# Altium PCB My_SOMA_25042022.PcbDoc (part 3 of 4) (continued)
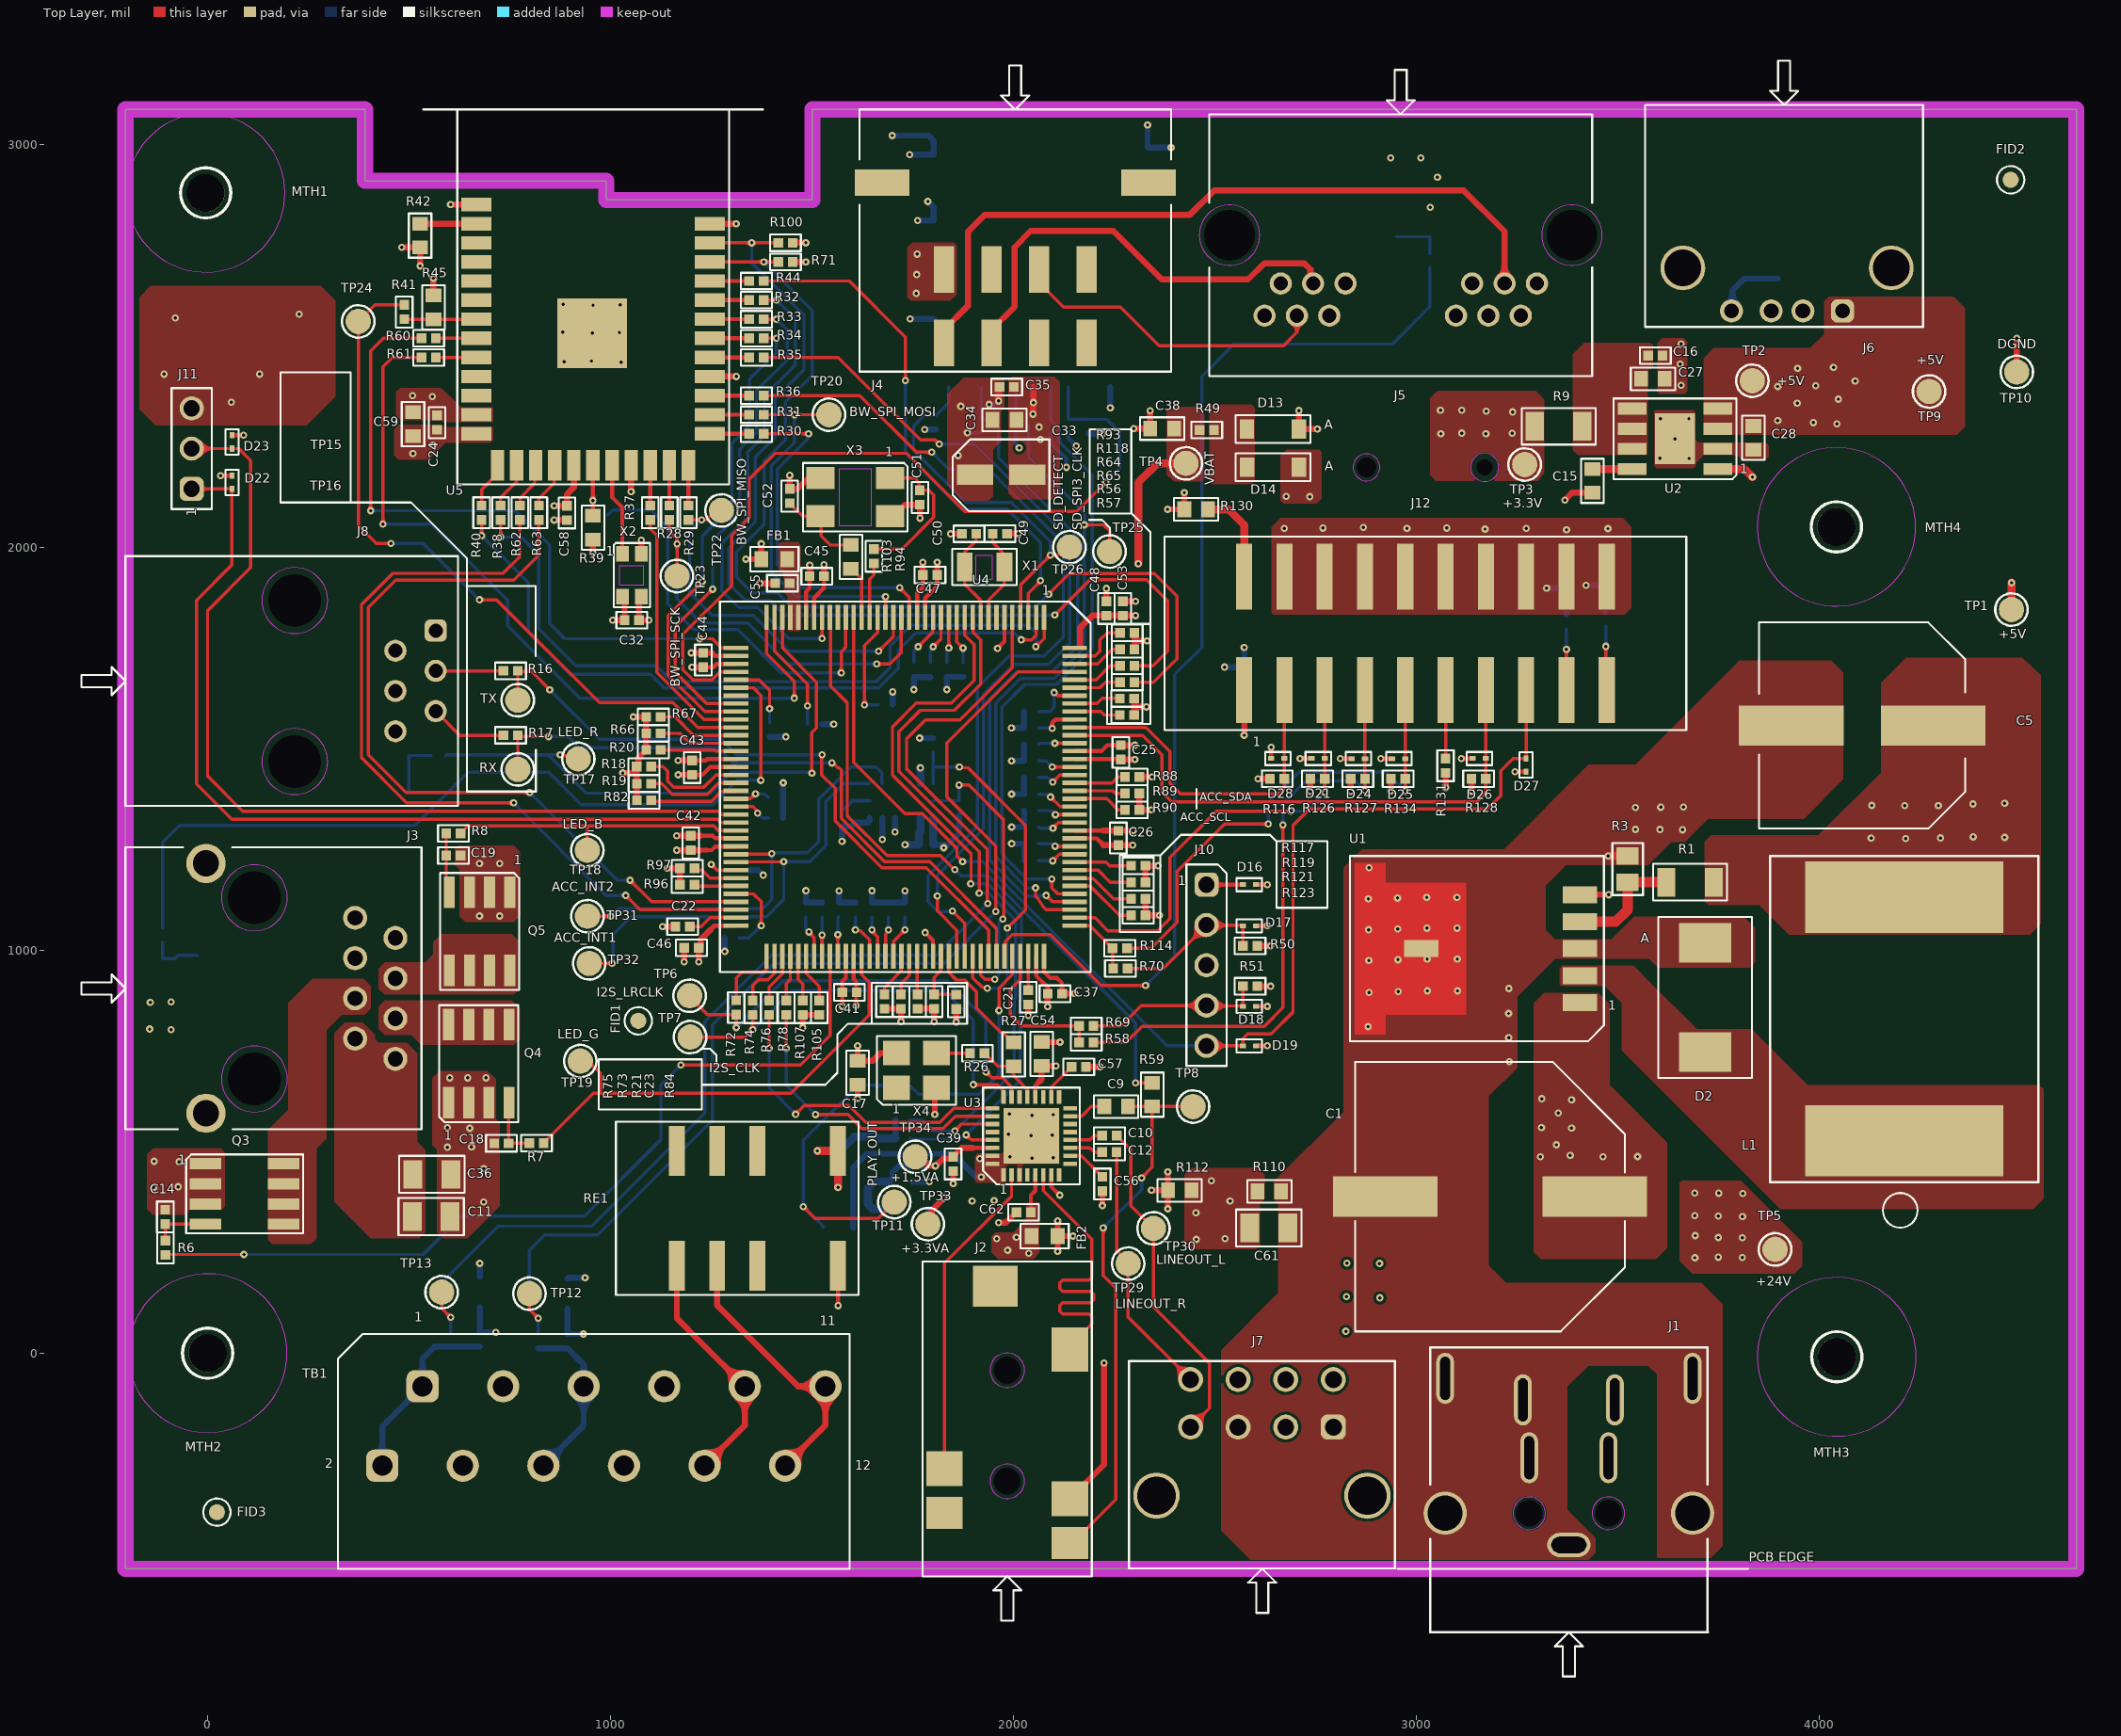
[diagram p0: Top Layer view]
## Nets (pads, with @x,y where several pads share a name; then routed paths per layer and width w, separated by ;. In a path a pad name is that pad's centre, name@x,y a point inside that pad or via, vN(x,y) a via of type N, cw(c..) or ccw(c..) an arc to the next point about the centre after c; other vN are vias at no path point) (continued)
  Bottom Layer w8: R13.2@603.31,51.94 v1(603.31,89.11) 580.95,111.47 D4.3@580.95,151.44 580.95,175.95 720,315 952.49,315 1234.07,596.58 1234.07,684.68 1234.07,822.55 1399.02,987.5 1808.25,987.5 1936.37,1115.62 v1(1936.37,1115.72)
LINEOUT_L: C10.2 J7.4 TP30.1 | length 838.4
  Top Layer w8: C10.2@2256.36,539.71 2291.18,504.89 2291.18,366.35 TP30.1@2347.71,309.82 2347.71,114.45 2487.09,-24.92 2487.09,-136.29 J7.4@2439.83,-183.55
LINEOUT_R: C12.2 J7.8 TP29.1 | length 640.3
  Top Layer w8: C12.2@2256.24,498.83 2256.24,255.3 2284.81,226.73 TP29.1@2284.81,222.35 2284.81,89.59 J7.8@2439.83,-65.44
MCLK: R26.2 R27.1 U3.21 | length 176.5
  Top Layer w8: R26.2@1928.55,744.78 1960.91,712.42 2000.39,712.42 R27.1@2000.78,712.03 2000.78,688.33 2034.85,654.26 U3.21@2034.85,635.47
MIC_IN: R59.2 U4.28 | length 1628.9
  Top Layer w8: U4.28@1544.71,1826.15 1546.21,1824.65 1546.21,1655.72 1587.66,1614.27 1587.66,1333.52 1686.18,1235 1818.43,1235 1853.43,1200 v1(1855,1200) ; v1(2303.11,671.06) R59.2@2344.59,671.06
  Bottom Layer w8: v1(1855,1200) 1855.57,1200 1870.13,1185.43 1937.46,1185.43 2303.11,819.78 v1(2303.11,671.06)
NetC1_+: C1.+ C2.1 C3.2 D1.1 U1.1
  other v1: 3308.01,487.65 3463.85,487.65 3549.53,488.05 3382.14,490.84 3347.88,517.16 3385.66,558.88 3310.92,559.85 3352.28,595.88 3385.66,628.76 3311.68,631.59
NetC4_2: C4.2 C5.+ C6.2 C7.1 L1.2 R1.2 R25.1
  other v1: 4214.55,1277.26 4129.12,1278.1 4301.47,1278.86 4460.69,1280.11 4382.52,1281.52 4212.42,1358.84 4296.14,1359.37 4130.4,1359.69 4381.84,1363.16 4460.69,1364.75
NetC8_2: C8.2 Q1.4 R4.2 | length 143.1
  Bottom Layer w8: Q1.4@500.23,1396.63 499.3,1397.55 C8.2@499.3,1483.5 553.74,1483.5 R4.2@554.76,1482.48
NetC9_1: C9.1 U3.15 | length 94.4
  Top Layer w8: U3.15@2141.15,588.23 2169.56,588.23 2193.43,612.1 C9.1@2225.63,612.1
NetC9_2: C9.2 J2.1 R59.1 TP8.1 | length 1362.6
  Top Layer w8: J2.1@2140.27,-471.47 2146.18,-471.47 2254.63,-363.01 2254.63,161.24 2223.19,192.68 v1(2223.19,310.79) ; C9.2@2284.59,612.1 2284.59,609.6 2287.09,612.1 R59.1@2344.59,612.1 2344.59,461.34 v1(2318.09,434.84) ; R59.1@2344.59,612.1 TP8.1@2445.95,612.08
  Bottom Layer w8: v1(2223.19,310.79) 2318.09,405.69 v1(2318.09,434.84)
NetC10_1: C10.1 U3.12 | length 83.9
  Top Layer w8: U3.12@2141.15,529.17 2189.66,529.17 2200.2,539.71 C10.1@2220.7,539.71
NetC12_1: C12.1 U3.11 | length 83.9
  Top Layer w8: U3.11@2141.15,509.49 2189.43,509.49 2200.09,498.83 C12.1@2220.58,498.83
NetC13_2: C13.2 Q2.4 R5.2 | length 132.2
  Bottom Layer w8: R5.2@-112.01,1019.98 -112.01,979.21 C13.2@-112.24,978.98 -81.18,978.98 -72.7,987.46 Q2.4@-24.7,987.46
NetC14_2: C14.2 Q3.4 R6.2 | length 141.1
  Top Layer w8: R6.2@-104.91,279.22 -105.14,279.45 C14.2@-105.14,320.22 Q3.4@-5.14,320.22
NetC15_2: C15.2 U2.8 | length 98.7
  Top Layer w20: C15.2@3437.28,2194.62 U2.8@3536.02,2194.62
NetC16_2: C16.2 C27.2 R9.1 U2.5 U2.6 U2.7
NetC18_2: C18.2 Q4.4 R7.2 | length 151.1
  Top Layer w8: Q4.4@747.24,620.91 C18.2@747.24,520.91 798,520.91 R7.2@798.24,521.14
NetC19_2: C19.2 Q5.4 R8.2 | length 149.2
  Top Layer w8: R8.2@592.17,1290 C19.2@592.17,1235 592.17,1151.83 Q5.4@600,1144
NetC21_1: C21.1 U4.106 | length 83.9
  Top Layer w8: C21.1@2036.84,901.28 U4.106@2036.84,985.2
NetC22_1: C22.1 U4.71 | length 123.8
  Top Layer w8: C22.1@1196.92,1058.94 1225.19,1058.94 1247.62,1081.37 1310.74,1081.37 U4.71@1311.24,1080.87
NetC23_2: C23.2 R84.2 U4.95 | length 157
  Top Layer w8: U4.95@1820.3,985.2 1819.35,984.26 1819.35,948.97 1803.11,932.73 C23.2@1803.11,890.45 1857.38,890.45 R84.2@1858,889.83
NetC49_2: C49.2 U4.8 X1.2 | length 236.1
  Top Layer w8: U4.8@1938.41,1826.15 1938.41,1869.81 1977,1908.4 1977,1950.36 X1.2@1977.78,1951.15 1977.78,1982.97 1948.82,2011.93 C49.2@1948.82,2033.93
NetC50_2: C50.2 U4.9 X1.1 | length 235.7
  Top Layer w8: C50.2@1907.82,2033.7 1907.82,2016.77 1879.36,1988.31 X1.1@1879.35,1951.15 1879.35,1908.36 1918.72,1868.99 U4.9@1918.72,1826.15
NetC51_2: C51.2 R94.1 X3.1 | length 372.3
  Top Layer w8: R94.1@1653.56,1996.05 1723.66,1996.05 1802.29,2074.67 1802.29,2129.72 1790.33,2141.69 C51.2@1767.92,2141.69 1766.37,2143.23 1766.37,2161 1755.49,2171.88 X3.1@1694.23,2171.88
NetC52_2: C52.2 R103.1 X3.3 | length 222.4
  Top Layer w8: C52.2@1444.95,2109.56 1477.12,2077.4 X3.3@1521,2077.4 1522.73,2075.67 1522.73,2028.39 1545.28,2005.83 R103.1@1596.69,2005.83
NetC55_2: C55.2 FB1.1 U4.32 U4.33
NetC56_2: C56.2 U3.10 | length 101.4
  Top Layer w8: U3.10@2141.15,489.8 2168.97,489.8 C56.2@2220.97,437.8
NetC57_2: C57.2 U3.18 | length 95.7
  Top Layer w8: U3.18@2093.9,635.47 2093.9,659.86 C57.2@2144.31,710.28
NetC60_2: C60.2 Q6.4 R108.2 | length 124.8
  Bottom Layer w8: Q6.4@2950.32,2770.98 C60.2@3033.98,2770.98 3033.98,2730.21 R108.2@3033.75,2729.98
NetD2_1: D2.1 L1.1 U1.2
NetD13_1: D13.1 D14.1 R49.1
NetD14_2: D14.2 XBT1.1
  other v1: 2677.25,2126.46 2735.83,2125.96
NetJ2_2: J2.2 U3.6 | length 800.4
  Top Layer w8: U3.6@2074.22,442.56 2074.22,403.15 2194.66,282.7 2194.66,201.49 2194.66,187.9 2187.66,180.9 2122.31,180.9 2115.31,173.9 2115.31,159.9 2122.31,152.9 2192.5,152.9 2199.5,145.9 2199.5,131.9 2192.5,124.9 2122.31,124.9 2115.31,117.9 2115.31,103.9 2122.31,96.9 2187.66,96.9 2194.66,89.9 2194.66,85.9 2194.66,73.08 2140.27,18.68 J2.2@2140.27,8.84
NetJ2_3: J2.3 U3.2 | length 797.8
  Top Layer w8: J2.3@1829.25,-286.43 1829.25,223.13 1995.48,389.36 U3.2@1995.48,442.56
NetJ3_3: J3.3 Q4.5 Q4.6 Q4.7 Q4.8
NetJ3_4: J3.4 Q3.5 Q3.6 Q3.7 Q3.8
NetJ3_5: J3.5 Q5.5 Q5.6 Q5.7 Q5.8
NetJ3_7: J3.7 Q1.5 Q1.6 Q1.7 Q1.8
NetJ3_8: J3.8 Q2.5 Q2.6 Q2.7 Q2.8
NetJ4_3: J4.3 J5.3 | length 792.2
  Top Layer w8: J4.3@2063.76,2689.75 2063.76,2657.25 2124.28,2596.73 2265.53,2596.73 2361.32,2500.93 2670.78,2500.93 2703.88,2534.03 J5.3@2703.88,2575.17
NetJ4_5: J4.5 J5.10 | length 1846.6
  Top Layer w15: J4.5@1827.54,2507.47 1827.54,2539.97 1887.9,2600.33 1887.9,2784.73 1928.08,2824.91 2437.34,2824.91 2498.12,2885.69 3117.85,2885.69 3219.24,2784.31 J5.10@3219.24,2655.09
NetJ4_6: J4.6 J5.4 Q6.5 Q6.6 Q6.7 Q6.8 | length 1123.1
  Top Layer w15: J4.6@1945.65,2507.47 1945.65,2539.97 2002.8,2597.12 2002.8,2745 2043.13,2785.34 2247.91,2785.34 2368.26,2664.99 2582.71,2664.99 2623.04,2705.32 2722.17,2705.32 2737.82,2689.67 2737.82,2661.31 J5.4@2744.04,2655.09
NetJ12_1: J12.1 R129.1 | length 222.7
  Top Layer w15: v1(2572.85,1533.64) J12.1@2572.85,1645.95
  Bottom Layer w15: v1(2572.85,1533.64) R129.1@2572.85,1644.01
NetJ12_2: J12.2 R130.1 | length 234
  Top Layer w20: R130.1@2483.21,2094.55 2483.5,2094.26 2534.27,2094.26 2572.85,2055.67 J12.2@2572.85,1927.45
NetJ12_11: J12.11 R131.2 | length 170
  Top Layer w8: R131.2@3072.85,1475.95 J12.11@3072.85,1645.95
NetJ12_17: J12.17 R132.2 | length 151.7
  Top Layer w8: J12.17@3372.85,1645.95 v1(3372.85,1747.08)
  Bottom Layer w8: v1(3372.85,1747.08) 3372.85,1797.46 R132.2@3372.97,1797.58
NetJ12_19: J12.19 R133.2 | length 151.7
  Top Layer w8: J12.19@3470.71,1653.21 v1(3470.71,1754.34)
  Bottom Layer w8: v1(3470.71,1754.34) 3470.71,1804.72 R133.2@3470.83,1804.84
NetQ7_3: Q7.3 RE1.12 | length 198.4
  Top Layer w10: v1(1564.73,117.82) RE1.12@1564.73,217.01
  Bottom Layer w10: v1(1564.73,117.82) Q7.3@1564.73,217.01
NetR1_1: R1.1 R3.2 U1.4 | length 295.6
  Top Layer w25: U1.4@3405.95,1070.86 3495.34,1070.86 3524.87,1100.39 R3.2@3524.87,1168.97 R1.1@3620.75,1168.97
NetR2_2: R2.2 U1.5 | length 144.2
  Top Layer w15: U1.5@3405.95,1137.79 v1(3478.06,1137.79)
  Bottom Layer w15: R2.2@3405.95,1137.79 v1(3478.06,1137.79)
NetR10_1: R10.1 R12.1 TB1.5 TB1.6 | length 421.7
  Bottom Layer w15: R12.1@820.56,11.78 R10.1@893.13,11.78 933.47,-28.56 933.47,-179.19 TB1.6@833.47,-279.19
NetR11_1: R11.1 R13.1 TB1.1 TB1.2 | length 461.4
  Bottom Layer w15: TB1.2@433.47,-279.19 433.47,-182.34 TB1.1@533.47,-82.34 533.47,-13.52 563.27,16.28 R13.1@603.31,16.28 R11.1@675.45,16.28
NetR18_2: R18.2 U4.53 | length 259.2
  Top Layer w8: R18.2@1100.83,1456.33 1129.8,1456.33 1141.6,1444.53 1141.6,1419.9 1157.16,1404.34 1231.3,1404.34 1262.17,1435.2 U4.53@1311.24,1435.2
NetR19_2: R19.2 U4.54 | length 233.1
  Top Layer w8: R19.2@1101.24,1413.58 1126.7,1413.58 1153.59,1386.7 1239.72,1386.7 1268.54,1415.52 U4.54@1311.24,1415.52
NetR20_1: R20.1 U4.50 | length 188.1
  Top Layer w8: R20.1@1124.35,1497.23 1257.31,1497.23 1260.28,1494.26 U4.50@1311.24,1494.26
NetR21_1: R21.1 U4.92 | length 95.1
  Top Layer w8: U4.92@1761.24,985.2 1761.24,891.31 R21.1@1762.11,890.45
NetR22_1: R22.1 U4.22 | length 264.7
  Top Layer w8: v1(1630.55,1609.12) 1630.55,1756.29 1662.82,1788.56 U4.22@1662.82,1826.15
  Bottom Layer w8: v1(1630.55,1609.12) 1663.88,1609.12 R22.1@1664.6,1609.84
NetR23_1: R23.1 U4.15 | length 132
  Top Layer w8: v1(1763.72,1753.3) 1800,1789.58 1800,1825.53 U4.15@1800.61,1826.15
  Bottom Layer w8: R23.1@1752.74,1713.96 1752.74,1742.32 v1(1763.72,1753.3)
NetR24_1: R24.1 U4.14 | length 123.1
  Top Layer w8: v1(1800.98,1753.38) 1820.3,1772.7 U4.14@1820.3,1826.15
  Bottom Layer w8: R24.1@1793.62,1714.08 1793.62,1746.03 v1(1800.98,1753.38)
NetR26_1: R26.1 X4.3 | length 83.5
  Top Layer w8: X4.3@1809.48,745.02 1809.71,744.78 R26.1@1892.89,744.78
NetR28_2: R28.2 U5.23 | length 100
  Top Layer w10: R28.2@1146.08,2103.81 U5.23@1146.08,2203.81
NetR29_2: R29.2 U5.24 | length 100
  Top Layer w10: R29.2@1193.48,2103.81 U5.24@1193.48,2203.81
NetR30_2: R30.2 U5.25 | length 97.8
  Top Layer w10: U5.25@1246.57,2281.96 R30.2@1344.36,2281.96
NetR31_2: R31.2 U5.26 | length 97.8
  Top Layer w10: U5.26@1246.57,2329.36 R31.2@1344.36,2329.36
NetR32_1: R32.1 U5.32 | length 97.8
  Top Layer w10: U5.32@1246.57,2613.77 R32.1@1344.36,2613.77
NetR33_1: R33.1 U5.31 | length 97.8
  Top Layer w10: U5.31@1246.57,2566.37 R33.1@1344.36,2566.37
NetR34_1: R34.1 U5.30 | length 97.8
  Top Layer w10: U5.30@1246.57,2518.97 R34.1@1344.36,2518.97
NetR35_1: R35.1 U5.29 | length 97.8
  Top Layer w10: U5.29@1246.57,2471.57 R35.1@1344.36,2471.57
NetR36_1: R36.1 U5.27 | length 97.8
  Top Layer w10: U5.27@1246.57,2376.77 R36.1@1344.36,2376.77
NetR37_1: R37.1 U5.22 | length 100
  Top Layer w10: R37.1@1098.67,2103.81 U5.22@1098.67,2203.81
NetR38_1: R38.1 U5.15 | length 116.3
  Top Layer w8: R38.1@727.49,2103.81 727.49,2123.71 766.86,2163.08 U5.15@766.86,2203.81
NetR39_1: R39.1 R43.2 U5.19 | length 162
  Top Layer w10: R39.1@956.47,2078.65 v1(956.47,2116.64) U5.19@956.47,2203.81
  Bottom Layer w10: R43.2@956.47,2079.76 v1(956.47,2116.64)
NetR40_1: R40.1 U5.14 | length 116.3
  Top Layer w8: R40.1@680.09,2103.81 680.09,2143.67 719.46,2183.04 U5.14@719.46,2203.81
NetR41_2: R41.2 R45.2 U5.7 | length 178.4
  Top Layer w8: R41.2@488.14,2566.37 547.2,2566.37 U5.7@666.57,2566.37
NetR42_2: R42.2 U5.2 | length 139.1
  Top Layer w15: R42.2@527.51,2803.38 U5.2@666.57,2803.38
NetR44_1: R44.1 U5.33 | length 97.8
  Top Layer w10: U5.33@1246.57,2661.17 R44.1@1344.36,2661.17
NetR46_1: R46.1 U4.13 | length 114.2
  Top Layer w8: v1(1839.98,1750.74) U4.13@1839.98,1826.15
  Bottom Layer w8: R46.1@1834.51,1714.2 1834.51,1742.55 1839.98,1748.03 v1(1839.98,1750.74)
NetR54_1: R54.1 U6.7 | length 80.1
  Bottom Layer w10: R54.1@1573.99,1344.57 1600.77,1371.35 U6.7@1642.98,1371.35
NetR55_1: R55.1 U4.12 | length 118.5
  Top Layer w8: U4.12@1859.67,1826.15 1859.67,1765.51 v1(1875.11,1750.06)
  Bottom Layer w8: v1(1875.11,1750.06) 1875.11,1714.59 R55.1@1875.51,1714.2
NetR56_1: R56.1 U4.137 | length 117
  Top Layer w8: U4.137@2152.19,1612.37 2207.37,1612.37 2220,1625 R56.1@2264,1625
NetR57_1: R57.1 U4.136 | length 115.4
  Top Layer w8: U4.136@2152.19,1592.68 2217.32,1592.68 2226,1584 R57.1@2264,1584
NetR58_2: R58.2 R69.2 U4.105 | length 378.8
  Top Layer w8: U4.105@2017.15,985.2 2017.15,927.52 1992.37,902.74 1992.37,839.97 2020.02,812.32 R69.2@2163.16,812.32 2163.16,771.43 R58.2@2163.04,771.32
NetR60_2: R60.2 U5.8 | length 100
  Top Layer w8: R60.2@566.57,2518.97 U5.8@666.57,2518.97
NetR61_2: R61.2 U5.9 | length 100
  Top Layer w8: R61.2@566.57,2471.57 U5.9@666.57,2471.57
NetR62_2: R62.2 U5.16 | length 116.3
  Top Layer w8: R62.2@774.89,2103.81 775.96,2104.87 775.96,2123.13 811.83,2159 811.83,2201.38 U5.16@814.26,2203.81
NetR63_2: R63.2 U5.17 | length 116.3
  Top Layer w8: R63.2@822.3,2103.81 822.3,2120.59 860.71,2159 860.71,2202.85 U5.17@861.67,2203.81
NetR64_1: R64.1 U4.140 | length 126.9
  Top Layer w8: U4.140@2152.19,1671.42 2205,1671.42 2239.66,1706.08 R64.1@2264.69,1706.08
NetR65_1: R65.1 U4.139 | length 118
  Top Layer w8: U4.139@2152.19,1651.74 2215.12,1651.74 2228.38,1665 2240,1665 2240.08,1665.08 R65.1@2264.69,1665.08
NetR66_2: R66.2 U4.49 | length 197.1
  Top Layer w8: R66.2@1124.24,1538.35 1172.52,1538.35 1196.93,1513.94 U4.49@1311.24,1513.94
NetR67_2: R67.2 U4.48 | length 205.8
  Top Layer w8: R67.2@1124.35,1579.23 1160.39,1579.23 1205.99,1533.63 U4.48@1311.24,1533.63
NetR68_1: R68.1 U4.135 | length 107.7
  Top Layer w10: v1(2096.34,1550.77) 2096.34,1564.59 2104.75,1573 U4.135@2152.19,1573
  Bottom Layer w8: R68.1@2062.36,1552.1 2095.02,1552.1 v1(2096.34,1550.77)
NetR70_2: R70.2 R114.2 U4.109 | length 168.3
  Top Layer w8: U4.109@2152.19,1061.19 2190.24,1061.19 R114.2@2246.38,1005.04 2246.38,956.18 R70.2@2247.77,954.8
NetR72_2: R72.2 U4.73 | length 171.4
  Top Layer w8: R72.2@1312.08,875.67 1312.08,931.48 1326.27,945.67 1378.73,945.67 1385.73,952.67 1385.73,983.7 U4.73@1387.23,985.2
NetR73_1: R73.1 U4.91 | length 103.2
  Top Layer w8: R73.1@1721.11,890.45 1721.11,916.82 1741.56,937.27 U4.91@1741.56,985.2
NetR74_2: R74.2 U4.74 | length 145.4
  Top Layer w8: R74.2@1352.96,875.56 1352.96,912.34 1367.7,927.07 1390.62,927.07 1406.91,943.37 U4.74@1406.91,985.2
NetR75_1: R75.1 U4.90 | length 112.1
  Top Layer w8: R75.1@1680.11,890.45 1680.11,907.19 1721.41,948.49 1721.41,984.74 U4.90@1721.87,985.2
NetR76_1: R76.1 U4.75 | length 123.3
  Top Layer w8: R76.1@1393.85,875.44 1393.85,908.94 1426.6,941.69 U4.75@1426.6,985.2
NetR77_1: R77.1 U4.89 | length 109.4
  Top Layer w8: U4.89@1702.19,985.2 1702.19,1021.75 v1(1730.76,1050.32)
  Bottom Layer w8: v1(1730.76,1050.32) R77.1@1730.76,1082.73
NetR78_2: R78.2 U4.76 | length 113.9
  Top Layer w8: R78.2@1436.28,875.44 1436.28,917.28 1446.28,927.28 U4.76@1446.28,985.2
NetR79_1: R79.1 U4.88 | length 100.5
  Top Layer w8: U4.88@1682.5,985.2 1682.5,1040.36 1689.76,1047.61 v1(1689.76,1050.32)
  Bottom Layer w8: v1(1689.76,1050.32) R79.1@1689.76,1082.73
NetR80_1: R80.1 U4.87 | length 103.4
  Top Layer w8: v1(1648.76,1050.32) 1648.76,1047.61 1662.82,1033.55 U4.87@1662.82,985.2
  Bottom Layer w8: v1(1648.76,1050.32) R80.1@1648.76,1082.73
NetR81_1: R81.1 U4.57 | length 96
  Top Layer w8: U4.57@1311.24,1356.46 1353.55,1356.46 1363.53,1346.48 1363.53,1342.41 v1(1365.44,1340.5)
  Bottom Layer w8: v1(1365.44,1340.5) 1365.44,1339.64 1376.41,1328.67 1392.36,1328.67 R81.1@1392.68,1328.34
NetR82_2: R82.2 U4.55 | length 221.9
  Top Layer w8: R82.2@1101.02,1372.29 1103.34,1369.97 1250.18,1369.97 1274.53,1394.33 1309.74,1394.33 U4.55@1311.24,1395.83
NetR83_1: R83.1 U4.56 | length 89.8
  Top Layer w8: U4.56@1311.24,1376.15 1311.66,1376.56 1348.01,1376.56 v1(1359.92,1388.46)
  Bottom Layer w8: v1(1359.92,1388.46) 1379.45,1388.46 1380.68,1387.24 1384.14,1387.24 R83.1@1392.14,1379.24
NetR85_1: R85.1 U4.132 | length 91
  Top Layer w8: v1(2102.95,1513.94) U4.132@2152.19,1513.94
  Bottom Layer w8: R85.1@2062.36,1511.1 2065.21,1513.94 v1(2102.95,1513.94)
NetR86_1: R86.1 U4.129 | length 96.1
  Top Layer w8: v1(2096.88,1454.89) U4.129@2152.19,1454.89
  Bottom Layer w8: R86.1@2062.48,1470.22 2062.72,1469.97 2081.79,1469.97 v1(2096.88,1454.89)
NetR87_1: R87.1 U4.128 | length 102.1
  Top Layer w8: v1(2097.59,1417.13) 2115.67,1435.2 U4.128@2152.19,1435.2
  Bottom Layer w8: R87.1@2062.6,1429.33 2085.39,1429.33 v1(2097.59,1417.13)
NetR88_1: R88.1 U4.127 | length 130.9
  Top Layer w8: U4.127@2152.19,1415.52 2244.69,1415.52 2259.25,1430.07 R88.1@2277.06,1430.07
NetR89_1: R89.1 U4.126 | length 127.5
  Top Layer w8: U4.126@2152.19,1395.83 2246.74,1395.83 2253.39,1389.19 R89.1@2276.94,1389.19
NetR90_1: R90.1 U4.125 | length 136.2
  Top Layer w8: U4.125@2152.19,1376.15 2231.65,1376.15 2259.49,1348.31 R90.1@2276.83,1348.31
NetR91_1: R91.1 U4.124 | length 102.6
  Top Layer w8: v1(2092.31,1380.53) 2116.38,1356.46 U4.124@2152.19,1356.46
  Bottom Layer w8: R91.1@2062.48,1387.58 2083,1387.58 2090.04,1380.53 v1(2092.31,1380.53)
NetR92_1: R92.1 U4.138 | length 134.1
  Top Layer w10: v1(2101.09,1639.84) 2102.86,1639.84 2110.65,1632.05 U4.138@2152.19,1632.05
  Bottom Layer w8: R92.1@2062.36,1593.1 2091.4,1593.1 2101.09,1602.79 v1(2101.09,1639.84)
NetR93_1: R93.1 U4.143 | length 152.6
  Top Layer w8: U4.143@2152.19,1730.48 2203.05,1730.48 2215,1742.43 2215,1770 2232.97,1787.97 R93.1@2264.81,1787.97
NetR95_1: R95.1 U4.41 | length 174.7
  Top Layer w8: U4.41@1311.24,1671.42 1368.58,1671.42 1395,1645 v1(1395,1600)
  Bottom Layer w8: R95.1@1395,1565 v1(1395,1600)
NetR96_1: R96.1 U4.67 | length 104.2
  Top Layer w8: R96.1@1208.26,1162.6 1211.26,1159.61 U4.67@1311.24,1159.61
NetR97_1: R97.1 U4.66 | length 113
  Top Layer w8: R97.1@1208.26,1203.6 1212.92,1198.94 1227.58,1198.94 1247.23,1179.3 U4.66@1311.24,1179.3
NetR98_1: R98.1 U4.68 | length 197.6
  Top Layer w8: U4.68@1311.24,1139.93 1354.62,1139.93 1374.12,1120.43 v1(1374.12,1061.33)
  Bottom Layer w8: R98.1@1319.37,1030.26 1343.04,1030.26 v1(1374.12,1061.33)
NetR99_1: R99.1 U4.86 | length 118.5
  Top Layer w8: v1(1607.76,1050.32) 1609.2,1048.88 1620.01,1048.88 1643.13,1025.76 U4.86@1643.13,985.2
  Bottom Layer w8: v1(1607.76,1050.32) R99.1@1607.76,1082.73
NetR101_1: R101.1 U4.82 | length 98.5
  Top Layer w8: U4.82@1564.39,985.2 v1(1564.39,1038.61)
  Bottom Layer w8: v1(1564.39,1038.61) 1564.39,1080.37 R101.1@1566.76,1082.73
NetR102_1: R102.1 U4.80 | length 97.8
  Top Layer w8: U4.80@1525.02,985.2 v1(1525.02,1037.53)
  Bottom Layer w8: v1(1525.02,1037.53) 1525.02,1082 R102.1@1525.76,1082.73
NetR104_1: R104.1 U4.79 | length 106.1
  Top Layer w8: v1(1492.57,1045.47) 1492.57,1044.13 1505.34,1031.36 U4.79@1505.34,985.2
  Bottom Layer w8: R104.1@1484.76,1082.73 1484.76,1053.33 v1@1492.57,1045.51
NetR105_1: R105.1 U4.78 | length 123.4
  Top Layer w8: U4.78@1485.65,985.2 1485.65,943.37 1518.28,910.74 R105.1@1518.28,875.32
NetR106_1: R106.1 U4.35 | length 299.2
  Top Layer w8: U4.35@1406.91,1826.15 1406.91,1742.45 1488.78,1660.58 v1(1488.78,1606.56)
  Bottom Layer w8: v1(1488.78,1606.56) 1488.78,1562.1 R106.1@1489.62,1561.25
NetR107_1: R107.1 U4.77 | length 114.6
  Top Layer w8: U4.77@1465.97,985.2 1465.97,927.7 1477.27,916.4 R107.1@1477.28,875.32
NetR109_1: R109.1 U4.123 | length 94
  Top Layer w8: v1(2104.33,1336.46) 2104.49,1336.62 2152.03,1336.62 U4.123@2152.19,1336.78
  Bottom Layer w8: R109.1@2062.6,1346.69 2094.1,1346.69 v1(2104.33,1336.46)
NetR111_1: R111.1 U4.122 | length 96.4
  Top Layer w8: v1(2098.24,1303.1) 2112.23,1317.09 U4.122@2152.19,1317.09
  Bottom Layer w8: R111.1@2062.71,1305.81 2065.42,1303.1 v1(2098.24,1303.1)
NetR113_1: R113.1 U4.119 | length 92.3
  Top Layer w8: v1(2103.39,1258.13) 2103.48,1258.04 U4.119@2152.19,1258.04
  Bottom Layer w8: R113.1@2062.71,1264.81 2094,1264.81 2100.68,1258.13 v1(2103.39,1258.13)
NetR115_1: R115.1 U4.118 | length 97.1
  Top Layer w8: v1(2097.81,1221.94) 2114.22,1238.35 U4.118@2152.19,1238.35
  Bottom Layer w8: R115.1@2062.71,1223.81 2064.59,1221.94 v1(2097.81,1221.94)
NetR117_1: R117.1 U4.117 | length 143.6
  Top Layer w8: U4.117@2152.19,1218.67 2230.23,1218.67 2239.02,1209.88 R117.1@2292.14,1209.88
NetR118_2: R118.2 U4.142 | length 127.5
  Top Layer w8: U4.142@2152.19,1710.79 2209.05,1710.79 2245.34,1747.08 R118.2@2264.69,1747.08
NetR119_1: R119.1 U4.116 | length 152.4
  Top Layer w8: U4.116@2152.19,1198.98 2210.47,1198.98 2240.57,1168.88 R119.1@2292.14,1168.88
NetR121_1: R121.1 U4.115 | length 161.3
  Top Layer w8: U4.115@2152.19,1179.3 2153.31,1178.18 2198.21,1178.18 2248.5,1127.88 R121.1@2292.14,1127.88
NetR123_1: R123.1 U4.114 | length 170.1
  Top Layer w8: U4.114@2152.19,1159.61 2190.53,1159.61 2263.26,1086.88 R123.1@2292.14,1086.88
NetR124_2: R124.2 U4.65 | length 134.2
  Top Layer w8: v1(1250.04,1213.27) 1264.33,1198.98 U4.65@1311.24,1198.98
  Bottom Layer w8: v1(1250.04,1213.27) 1264.33,1198.98 R124.2@1311.24,1198.98
NetRE1_8: RE1.8 TB1.9 TB1.10 | length 607.5
  Top Layer w15: RE1.8@1164.73,217.01 1164.73,86.41 1221.42,29.71 TB1.9@1333.47,-82.34 1333.47,-179.19 TB1.10@1233.47,-279.19
NetRE1_9: RE1.9 TB1.11 TB1.12 | length 688.5
  Top Layer w15: RE1.9@1264.73,217.01 1264.73,118.88 1465.95,-82.34 TB1.11@1533.47,-82.34 1533.47,-179.19 TB1.12@1433.47,-279.19
NetU5_20: U5.20 X2.1 | length 230.1
  Top Layer w10: U5.20@1003.87,2203.81 1003.87,2124.98 1029.29,2099.56 X2.1@1029.29,1984.27
OSC_IN: R94.2 U4.23 | length 138.6
  Top Layer w8: U4.23@1643.13,1826.15 1643.13,1920.99 1653.56,1931.41 R94.2@1653.56,1960.39
OSC_OUT: R103.2 U4.24 | length 133.3
  Top Layer w8: R103.2@1596.69,1946.87 1599.19,1946.87 1623.45,1922.61 U4.24@1623.45,1826.15
PLAY_OUT: Q7.1 TP11.1 U4.104 | length 1369.7
  Top Layer w8: v1(1478.76,363.8) 1507.77,334.8 1664.17,334.8 TP11.1@1704.33,374.96 ; v1(1964.08,850.4) 1964.08,905.92 1997.46,939.3 U4.104@1997.46,985.2
  Bottom Layer w8: Q7.1@1527.33,311.5 1527.33,315.44 1478.76,364 1478.76,528.15 1615.79,665.17 1741.98,665.17 1764.62,642.52 1914.13,642.52 1964.08,692.47 v1(1964.08,850.4)
RESET: D19.1 D27.1 J10.5 J12.15 U4.25 | length 3114.5
  Top Layer w8: U4.25@1603.76,1826.15 1603.76,1466.3 1730.93,1339.13 1773.87,1339.13 1860,1253 1860,1234 v1(1874,1220) ; J10.5@2479.49,762.86 D19.1@2569.49,762.86 2569.49,780.77 2581.28,792.56 2640.1,792.56 2694.18,846.64 2694.18,1309.84 2735.01,1350.66 3176.52,1350.66 3210.05,1384.2 3210.05,1445.37 3240.63,1475.95 D27.1@3272.85,1475.95 J12.15@3272.85,1645.95
  Bottom Layer w8: v1(1874,1220) 1924.11,1220 2381.25,762.86 J10.5@2479.49,762.86
SCL: R65.2 R71.1 U5.34 | length 2547.8
  Top Layer w8: U5.34@1246.57,2708.58 v1(1380.7,2708.58) R71.1@1416.57,2708.58 ; v1(2087.63,1883.75) 2138.88,1935 2350,1935 2405.94,1879.06 2405.94,1723.31 2347.71,1665.08 R65.2@2300.35,1665.08
  Bottom Layer w8: v1(1380.7,2708.58) 1501.08,2588.2 1501.08,2427.36 1433.68,2359.95 1433.68,2266.79 1381.36,2214.46 1381.36,2058.25 1312.37,1989.26 1312.37,1926.32 1351.67,1887.02 1414.36,1887.02 1449.53,1851.85 2055.72,1851.85 v1(2087.63,1883.75)
SD_DETECT: J9.9 R48.1 TP26.1 U4.4 | length 917.9
  Top Layer w8: U4.4@2017.15,1826.15 2018.65,1827.65 2018.65,1907.55 v1(2091.72,1980.62) 2109.27,1980.62 2129.31,2000.66 TP26.1@2139.37,2000.66
  Bottom Layer w8: J9.9@1839.11,2397.89 1839.11,2358.75 R48.1@1808.43,2328.07 1779.12,2328.07 1752.39,2301.34 1752.39,2241.45 1882.67,2111.17 1994.85,2111.17 2091.72,2014.31 v1(2091.72,1980.62)
SD_SPI3_CLK: D10.1 J9.5 TP25.1 U4.111 | length 1770.9
  Top Layer w8: v1(2055,1155) 2055.06,1154.94 2055.06,1134 2060.53,1128.53 2061.48,1127.38 2076.59,1105.24 2081.27,1100.56 U4.111@2152.19,1100.56 ; v1(2176.27,2055.91) 2224.54,2055.91 2238.76,2041.7 TP25.1@2238.76,1989.83
  Bottom Layer w8: J9.5@2006.43,2397.89 D10.1@2006.43,2317.89 2021.49,2317.89 2037.54,2301.84 2037.54,2224.26 2177.12,2084.68 v1@2177.12,2056.07 ; v1(2055,1155) 2033.88,1155 1956.14,1232.74 1956.14,1614.22 2016.75,1674.84 2100.93,1674.84 2176.27,1750.18 v1(2176.27,2055.91)
SD_SPI3_CS: D12.1 J9.2 R47.1 U4.40 | length 2052.3
  Top Layer w8: U4.40@1311.24,1691.11 1271.94,1691.11 1251.43,1670.6 1205.52,1670.6 1179.72,1696.4 1179.72,1784.14 1300.4,1904.82 1300.4,2029.5 1344.64,2073.75 1344.64,2169.72 1408.42,2233.5 1735.19,2233.5 1879.14,2089.54 2157.23,2089.54 v1(2229.26,2161.58)
  Bottom Layer w8: J9.2@2136.35,2397.89 D12.1@2136.35,2317.89 R47.1@2186.35,2317.89 2186.51,2317.73 2232.45,2317.73 2263.58,2286.6 2263.58,2195.9 v1(2229.26,2161.58)
SD_SPI3_MISO: D9.1 J9.7 U4.112 | length 1687.7
  Top Layer w8: v1(2081.06,1136.29) 2097.11,1120.24 U4.112@2152.19,1120.24
  Bottom Layer w8: J9.7@1919.82,2397.89 D9.1@1919.82,2317.89 1949.5,2317.89 1963.08,2304.31 1963.08,2222.59 2159.56,2026.1 2159.56,1754.68 2095.62,1690.74 2007.51,1690.74 1941.14,1624.37 1941.14,1224.18 2030.32,1135 2063.28,1135 2064.57,1136.29 v1(2081.06,1136.29)
SD_SPI3_MOSI: D11.1 J9.3 U4.113 | length 1575.8
  Top Layer w8: v1(2095.21,1176.89) 2095.21,1155.04 2110.32,1139.93 U4.113@2152.19,1139.93
  Bottom Layer w8: J9.3@2093.05,2397.89 D11.1@2093.05,2317.89 2093.05,2315.92 2113.62,2295.35 2113.62,2262.15 2196.27,2179.49 2196.27,1748.97 2107.15,1659.84 2028.22,1659.84 1971.5,1603.12 1971.5,1238.6 2033.21,1176.89 v1(2095.21,1176.89)
SDA: R64.2 R100.1 U5.35 | length 2548.6
  Top Layer w8: U5.35@1246.57,2755.98 v1(1350.48,2755.98) R100.1@1416.57,2755.98 ; v1(2102.92,1832.25) 2190.67,1920 2330,1920 2382.7,1867.3 2382.7,1742.7 2346.08,1706.08 R64.2@2300.35,1706.08
  Bottom Layer w8: v1(1350.48,2755.98) 1350.48,2706.34 1480.24,2576.57 1480.24,2441.23 1408.88,2369.87 1408.88,2273.67 1359.52,2224.3 1359.52,2063.96 1293.69,1998.13 1293.69,1909.79 1334.44,1869.04 1395.37,1869.04 1432.15,1832.25 v1(2102.92,1832.25)
SW_CLK: D17.1 J10.2 R50.1 R70.1 | length 382.4
  Top Layer w8: R70.1@2283.42,954.8 2372.47,954.8 2479.49,1061.82 J10.2@2479.49,1062.86 2480.53,1061.82 2568.57,1061.82 D17.1@2569.62,1060.77 R50.1@2569.62,1010.77
SWD_IO: D18.1 J10.4 R51.1 R69.1 | length 442.6
  Top Layer w8: R69.1@2198.82,812.32 2267.02,812.32 2317.57,862.86 J10.4@2479.49,862.86 2480.53,861.82 2568.57,861.82 D18.1@2569.62,860.77 R51.1@2569.62,910.77
SYS_LOCK: D3.3 R12.2 TP12.1 U4.141 | length 2791.5
  Top Layer w8: TP12.1@798.63,147.81 798.63,109.1 820.56,87.17 v1(820.56,86.89) ; v1(1956.37,1095.82) 1956.37,1258.63 1834.35,1380.65 1834.35,1514.27 2011.19,1691.11 U4.141@2152.19,1691.11
  Bottom Layer w8: R12.2@820.56,47.44 v1(820.56,86.89) 798.63,108.82 D3.3@798.63,147.81 798.63,255.24 837.28,293.89 968.22,293.89 1252.63,578.3 1252.63,684.68 1252.63,814.86 1404.77,967 1827.55,967 v1(1956.37,1095.82)